# Altium PCB mainpcb.PcbDoc (part 2 of 2)
Units mm, origin at the board's own origin, x right, y up, seen from the top; angles counter-clockwise.
Board outline 161.19 x 161.19 mm, 2 copper layers (Top Layer, Bottom Layer); 134 components, 83 nets, 474 pads, 52 vias.
Unrouted connection lines stored in the file: 1.
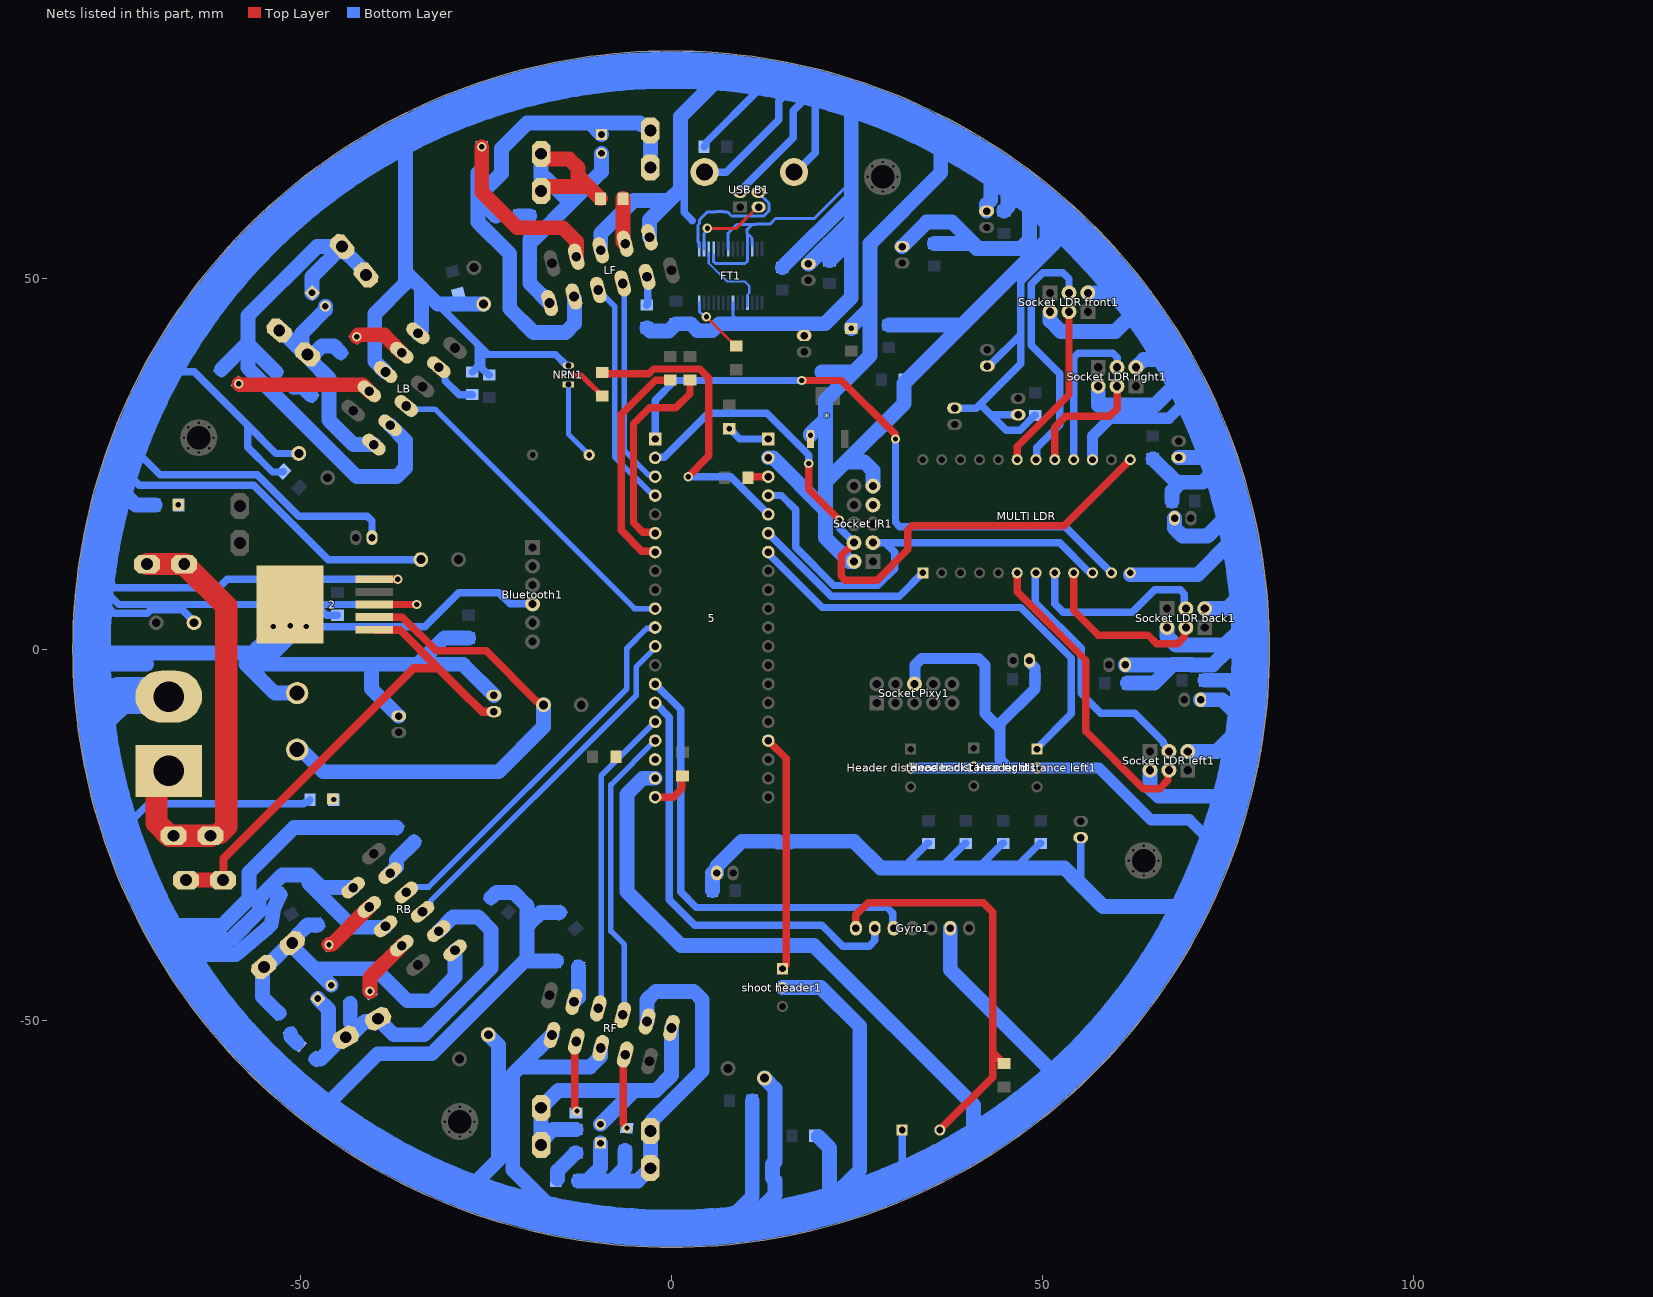
[diagram p2: the nets of this part, all layers, seen from the top]

## Via types
v1: diameter 1.27, hole 0.711, Top Layer to Bottom Layer, 52 vias

## Nets (pads, with @x,y where several pads share a name; then routed paths per layer and width w, separated by ;. In a path a pad name is that pad's centre, name@x,y a point inside that pad or via, vN(x,y) a via of type N, cw(c..) or ccw(c..) an arc to the next point about the centre after c; other vN are vias at no path point) (continued)
A15PWM4: 5.10 LB.5 | length 44.8
  Bottom Layer w0.75: LB.5@-35.682,32.77 -35.251,32.339 -31.831,32.339 -4.953,5.461 5.10@-2.159,5.461
B0DL: 5.34 "Header distance left1.1" | length 61
  Bottom Layer w1: 5.34@13.081,13.081 13.081,12.892 20.353,5.62 25.313,5.62 25.321,5.612 47.093,5.612 53.889,-1.184 53.889,-8.722 49.212,-13.399
B1LDR: 5.35 "MULTI LDR.1" | length 25.6
  Bottom Layer w1: 5.35@13.081,15.621 21.566,7.136 30.758,7.136 33.909,10.287
B2Buzzer: 3.1 5.36 | length 41.6
  Top Layer w1: -8.383,37.084 -3.043,37.084 -2.377,37.75 3.828,37.75 5.08,36.498 5.08,26.035 v1(2.286,23.241)
  Bottom Layer w1: v1(2.286,23.241) 8.001,23.241 5.36@13.081,18.161
B3PWM2: 5.11 RB.7 | length 51.5
  Bottom Layer w0.75: RB.7@-35.682,-32.77 -34.951,-32.039 -32.674,-32.039 -5.969,-5.334 -5.969,0.127 -3.309,2.787 -2.293,2.787 5.11@-2.159,2.921
B4PWM2: 5.12 RB.5 | length 48.7
  Bottom Layer w0.75: RB.5@-33.497,-35.375 -33.497,-35.269 -32.407,-34.18 -32.407,-33.916 -4.699,-6.207 -4.699,-2.349 -2.509,-0.159 -2.159,0.192 5.12@-2.159,0.381
B6GYRO: 5.14 Gyro1.5 | length 61.2
  Bottom Layer w1: 5.14@-2.159,-4.699 1.27,-8.128 1.27,-32.667 3.401,-34.798 29.083,-34.798 29.857,-35.572 29.857,-37.477 Gyro1.5@29.972,-37.592
B7GYRO: 5.15 Gyro1.6 | length 59.6
  Bottom Layer w1: 5.15@-2.159,-7.239 -0.254,-9.144 -0.254,-33.782 3.175,-37.211 20.32,-37.211 23.114,-40.005 26.67,-40.005 27.432,-39.243 Gyro1.6@27.432,-37.592
B8PWM1: 5.16 RF.7 | length 41.8
  Bottom Layer w0.75: RF.7@-9.817,-48.393 -9.431,-48.007 -9.431,-17.051 5.16@-2.159,-9.779
B9PWM1: 5.17 RF.5 | length 40.3
  Bottom Layer w0.75: RF.5@-6.533,-49.273 -6.3,-49.04 -6.3,-39.801 -8.128,-37.973 -8.128,-18.288 5.17@-2.159,-12.319
B10S0: 5.37 "MULTI LDR.10" "Socket IR1.3" | length 60.8
  Bottom Layer w1: 5.37@13.081,20.701 14.859,20.701 16.764,18.796 16.764,13.711 21.9,8.575 27.833,8.575 30.099,10.841 30.099,13.081 29.02,14.16 ; 27.178,14.351 29.02,14.351 52.324,14.351 56.292,10.383 56.538,10.383 56.581,10.339
B12S1: 5.1 "MULTI LDR.11" | length 85.4
  Top Layer w1: v1(17.596,36.195) 22.91,36.195 30.174,28.931 30.174,28.373 v1(30.226,28.321)
  Bottom Layer w1: 5.1@-2.159,28.321 -2.159,33.528 0.508,36.195 v1(17.596,36.195) ; v1(30.226,28.321) 30.226,17.096 30.812,16.51 53.086,16.51 59.309,10.287
B12S2: "Socket IR1.7"
B13S3: 5.2 "MULTI LDR.13" "Socket IR1.4" | length 92.5
  Top Layer w1: v1(18.542,25.019) 18.542,21.516 v1(22.659,17.399) ; 24.638,14.351 24.638,14.323 22.884,12.569 22.884,9.898 23.47,9.312 27.746,9.312 31.861,13.428 31.861,16.051 32.447,16.637 52.959,16.637 61.849,25.527
  Bottom Layer w1: 5.2@-2.159,25.781 -2.069,25.871 -0.926,25.871 4.996,31.793 12.911,31.793 18.542,26.162 v1(18.542,25.019) ; v1(22.659,17.399) 22.711,17.347 22.711,16.278 24.638,14.351 24.638,14.379
B14PWM3: 5.3 LF.7 | length 28.2
  Bottom Layer w0.75: LF.7@-6.532,49.272 -6.299,49.039 -6.299,26.746 -2.976,23.423 -2.341,23.423 5.3@-2.159,23.241
B15PWM3: 5.4 LF.5 | length 31
  Bottom Layer w0.75: LF.5@-9.817,48.392 -7.62,46.196 -7.62,25.908 -2.413,20.701 5.4@-2.159,20.701
Back1: "MULTI LDR.9" "Socket LDR back1.3" | length 23.8
  Top Layer w1: 54.229,10.504 54.229,5.207 57.531,1.905 64.232,1.905 65.405,0.732 68.233,0.732 69.151,1.649 69.151,2.73 69.342,2.921
Back2: "MULTI LDR.8" "Socket LDR back1.4" | length 25.5
  Bottom Layer w1: 51.689,10.103 51.689,6.096 52.832,4.953 62.103,4.953 65.151,8.001 68.565,8.001 69.151,7.415 69.151,5.652 69.342,5.461
C15Shoot: 5.24 "shoot header1.1" | length 32.1
  Top Layer w1: 5.24@13.081,-12.319 15.494,-14.732 15.494,-42.545 14.986,-43.053
  Bottom Layer w1: 5.24@13.081,-12.446 5.24@13.081,-12.319
F16: "USB B1.2" FT1.16 | length 11
  Top Layer w0.4: v1@4.892,56.705 8.763,56.705 11.621,59.563 11.779,59.563
  Bottom Layer w0.4: FT1.16@4.426,53.917 4.426,56.003 4.888,56.465 v1(4.888,56.7)
Front1: "MULTI LDR.18" "Socket LDR front1.3" | length 34.5
  Bottom Layer w1: 49.246,25.527 49.246,27.148 52.324,30.226 52.324,37.128 48.514,40.938 48.514,49.174 50.074,50.734 52.742,50.734 53.594,49.882 53.594,48.006
Front2: "MULTI LDR.19" "Socket LDR front1.4" | length 23
  Top Layer w1: 46.609,25.378 46.609,27.305 53.594,34.29 53.594,45.466
GND: 1.2 2.3 2.5 2.6 4.1 5.19 5.39 6.1 10.1 11.1 13.1 "Header distance back1.2" "Header distance left1.2" "Header distance right1.2" "MULTI LDR.12" "MULTI LDR.15" "shoot header1.2" "Socket IR1.2" "Socket IR1.9" "Socket LDR back1.2" "Socket LDR back1.5" "Socket LDR front1.2" "Socket LDR front1.5" "Socket LDR left1.2" "Socket LDR left1.5" "Socket LDR right1.2" "Socket LDR right1.5" "Socket Pixy1.6" "USB B1.4" "USB B1.5" "USB B1.6" *.1@18.768,28.321 *.2@-67.691,-6.383 Bluetooth1.4 Button1.1 cap2.2 cap4.2 cap5.2 cap9.2 cap10.2 cap11.2 cap13.2 cap15.2 cap17.1 cap18.2 cap19.2 cap23.2 cap24.2 cap25.2 cap26.2 cap27.2 cap28.2 cap29.2 cap32.2 cap34.2 cap35.2 cap36.2 cap37.2 cap38.2 cap39.2 cap40.2 cap43.2 cap44.2 cap45.2 cap46.2 cap47.2 cap48.2 cap49.1 cap50.2 cap51.2 cap52.2 cap53.2 cap54.2 cap55.2 cap56.2 cap57.2 cap58.2 cap59.2 cap60.2 cap61.2 cap62.2 cap63.2 cap66.2 cap69.2 cap70.2 cap73.2 cap74.2 FT1.7 FT1.18 FT1.21 FT1.25 FT1.26 Gyro1.2 LB.6 LB.10 LF.6 LF.10 NPN1.3 RB.6 RB.10 RES6.1 RES500.2 RF.6 RF.10 | length 2260.7
  Top Layer w1: 2.3@-40.005,6.018 v1(-34.29,6.018) ; 2.5@-40.005,9.418 v1(-36.83,9.418)
  Top Layer w2: 2.6@-54.855,1.768 2.6@-53.575,3.048 ; 2.6@-50.035,4.698 2.6@-51.355,6.018 2.6@-51.355,5.287 ; v1(-49.149,3.048) -49.276,3.175 v1(-51.308,3.175) -51.435,3.048 2.6@-53.575,3.048 ; 2.6@-53.575,3.048 -51.355,5.268 2.6@-51.355,5.287 ; 2.6@-53.575,3.048 v1(-53.594,3.048) 2.6@-51.355,5.287
  Bottom Layer w0.3: cap28.2@42.596,38.143 42.68,38.227 cap28.2@42.926,38.227 ; 51.943,54.937 53.611,56.605
  Bottom Layer w0.4: FT1.18@5.726,53.117 5.726,52.194 5.965,51.955 9.956,51.955 10.276,52.275 FT1.25@10.276,53.917 10.276,56.015 ; FT1.21@7.676,53.917 7.676,56.055 8.85,57.228 10.94,57.228 ; FT1.7@8.326,46.667 8.313,46.654 8.313,45.479 8.299,45.465 8.299,44.971 8.758,44.512 8.758,44.054 8.978,43.834 ; FT1.26@10.885,54.483 10.885,55.406 10.276,56.015 ; 24.257,62.992 19.275,58.01 14.068,58.01 13.335,57.277 11.398,57.277 11.35,57.228 10.94,57.228 ; 10.276,56.015 10.235,56.056 10.235,56.524 10.94,57.228
  Bottom Layer w1: -78.24,1.695 -77.266,1.695 -75.824,0.254 ; -78.109,4.95 -76.578,4.95 -76.073,4.445 ; -77.859,8.029 -76.454,8.029 -74.443,6.018 -47.879,6.018 ; -77.749,6.251 -76.482,6.251 -75.057,4.826 -70.585,4.826 -70.101,5.31 -65.864,5.31 -64.173,3.619 cap15.2@-64.086,3.619 ; -77.528,10.811 -74.972,8.255 -60.96,8.255 -59.797,9.418 v1(-36.83,9.418) ; -74.297,24.721 -71.673,22.098 -56.258,22.098 -46.225,12.065 cap2.2@-33.731,12.065 ; -74.062,-24.47 -70.42,-20.828 -49.5,-20.828 -49.283,-20.611 -48.914,-20.611 -48.664,-20.361 RES500.2@-48.664,-20.261 ; -73.507,-26.605 -73.507,-26.517 ; -73.197,27.82 -68.871,23.495 -55.753,23.495 -50.165,17.907 -40.925,17.907 -40.302,17.284 cap25.2@-40.302,15.037 ; -68.828,37.361 -64.256,37.361 -57.072,30.177 ; cap73.2@-52.259,23.938 -52.33,23.868 -53.713,23.868 -57.072,27.227 -57.072,30.177 ; cap51.2@-50.167,26.365 -53.26,26.365 -57.072,30.177 ; v1(-49.149,3.048) -33.198,3.048 -28.626,7.62 -23.241,7.62 -21.717,6.096 Bluetooth1.4@-18.669,6.096 ; cap27.2@-44.958,4.572 -46.433,4.572 -47.879,6.018 ; v1(-34.29,6.018) -47.879,6.018 ; -31.449,46.491 -25.995,41.036 ; 11.1@-26.797,37.339 -26.697,37.339 -26.447,37.589 -26.447,37.722 -25.995,38.175 -25.995,41.036 ; -24.892,39.698 -15.589,39.698 -14.118,38.227 NPN1.3@-13.843,38.227 ; -24.892,39.933 -25.527,40.568 ; cap49.1@-24.511,36.958 -24.611,36.958 -25.527,37.874 -25.527,40.568 ; 1.27,62.008 1.778,62.23 ; 1.778,62.008 1.778,58.83 2.86,57.747 ; cap4.2@4.444,67.691 4.694,67.941 4.694,68.264 11.915,75.486 11.915,76.314 8.872,79.357 ; 4.758,64.268 7.445,64.268 14.478,71.302 14.478,73.822 16.821,76.165 ; 9.449,61.491 9.449,61.9 16.454,68.905 16.454,72.563 19.432,75.541 19.432,66.902 16.454,63.924 ; 30.278,-71.585 31.115,-70.747 Button1.1@31.115,-64.77 ; 31.27,-29.464 34.571,-26.163 cap11.2@34.671,-26.163 ; 36.308,-29.464 39.609,-26.163 cap19.2@39.709,-26.163 ; cap18.2@38.176,32.469 41.11,32.469 41.636,32.995 ; 41.345,-29.464 44.646,-26.163 cap29.2@44.746,-26.163 ; cap28.2@42.926,38.227 47.088,42.389 ; 46.383,-29.464 49.684,-26.163 cap36.2@49.784,-26.163 ; cap43.2@46.736,31.582 43.049,31.582 ; cap44.2@49.073,31.495 48.973,31.495 46.99,29.512 45.119,29.512 43.049,31.582 ; 51.943,54.937 51.943,54.377 47.088,49.522 47.088,42.389 ; 54.813,-31.305 55.169,-30.95 cap35.2@55.169,-25.393 ; -25.995,41.036 -25.527,40.568 ; 41.636,32.995 47.088,38.447 47.088,42.389 ; 41.636,32.995 43.049,31.582
  Bottom Layer w1.5: 32.258,-16.002 45.466,-16.002 ; 32.862,-4.521 32.862,-2.149 33.74,-1.27 41.412,-1.27 42.291,-2.149 42.291,-8.636 44.323,-10.668 ; cap59.2@48.26,-1.524 48.26,-1.774 49.024,-2.538 cap60.2@49.024,-4.064 49.024,-5.332 44.323,-10.033 44.323,-10.668 ; 56.769,25.527 56.769,28.702 59.182,31.115 67.067,31.115 70.119,34.167 ; 72.747,-25.888 69.846,-22.987 64.62,-22.987 57.635,-16.002 49.276,-16.002 45.466,-16.002 ; 44.323,-10.668 44.323,-14.859 45.466,-16.002
  Bottom Layer w2: -78.25,0.992 -76.75,-0.508 -54.991,-0.508 -54.229,-0.508 ; -76.454,-0.762 -75.325,-1.891 ; -75.44,20.952 -73.92,19.431 ; -75.184,-2.032 -70.652,-2.032 ; -74.902,21.766 -74.471,21.766 -72.136,19.431 RES6.1@-69.545,19.431 ; -69.057,-36.265 -68.69,-35.898 ; -68.409,-37.473 -68.147,-37.211 ; -66.47,-39.116 -59.309,-39.116 -55.499,-35.306 -55.499,-33.528 -52.372,-30.401 -48.81,-30.401 ; -66.4,-41.148 -58.658,-41.148 -54.413,-37.586 -53.896,-37.069 -53.546,-34.934 cap54.2@-52.706,-33.037 ; -65.936,-37.211 -60.452,-37.211 -56.896,-33.655 -56.896,-30.099 -50.836,-24.039 13.1@-36.982,-24.039 ; -57.277,-2.032 -53.391,-5.918 4.1@-50.394,-5.918 ; -54.991,-2.032 -28.067,-2.032 ; v1(-53.594,3.048) -51.435,3.048 v1@-51.308,3.048 ; v1@-50.927,3.048 v1(-49.149,3.048) ; -45.847,-60.833 -39.519,-54.505 -32.28,-54.505 -19.798,-42.023 -19.445,-42.023 ; RB.10@-42.852,-32.129 -47.082,-32.129 -48.81,-30.401 ; -40.386,-2.232 -40.386,-5.334 cap70.2@-36.703,-9.017 ; RB.6@-38.481,-37.338 -38.609,-37.466 -42.884,-37.466 -48.81,-31.539 -48.81,-30.401 ; LB.6@-38.481,37.338 -39.943,38.8 -39.943,45.147 -35.814,49.276 -35.814,50.855 ; -35.814,67.671 -35.814,50.855 ; LB.10@-34.11,42.547 -33.655,43.002 -33.655,48.696 ; -33.909,-1.832 -30.554,1.523 cap69.2@-27.305,1.523 ; -27.926,-2.173 1.2@-23.876,-6.223 ; -27.42,-72.925 -23.241,-68.745 -23.241,-53.34 cap37.2@-24.638,-51.943 ; cap66.2@-25.264,46.491 -31.449,46.491 -33.655,48.696 ; cap46.2@-24.257,-33.473 -23.55,-32.766 -21.238,-32.766 -19.587,-34.417 ; -19.445,-34.558 -19.445,-42.023 ; -19.245,-37.011 -19.104,-37.011 -17.591,-35.498 cap32.2@-15.048,-35.498 ; RF.10@-16.058,-51.979 -20.347,-56.269 ; 6.1@-15.443,-42.023 -19.445,-42.023 ; -14.366,-76.521 -14.919,-76.521 -21.336,-70.104 -21.336,-57.257 -20.347,-56.269 ; RF.6@-9.49,-53.739 -9.49,-54.845 -10.913,-56.269 -20.347,-56.269 ; LF.6@-9.489,53.739 -9.489,56.011 -5.048,60.452 -0.286,60.452 ; 10.1@-3.276,43.306 -2.816,42.846 -0.337,42.846 cap63.2@0.651,43.834 2.626,43.834 3.559,42.9 5.533,42.9 6.467,43.834 8.978,43.834 20.72,43.834 24.257,47.371 24.257,55.245 ; LF.10@-2.921,55.499 -2.921,57.817 -0.286,60.452 ; 5.19@-2.159,-17.399 -3.81,-17.399 -5.969,-19.558 -5.969,-32.639 1.333,-39.941 19.241,-39.941 40.745,-61.446 40.745,-66.512 ; 1.27,62.008 -0.286,60.452 ; 1.27,62.54 1.27,71.755 7.184,77.669 ; 4.414,63.924 4.758,64.268 ; cap50.2@5.587,-32.512 cap47.2@5.587,-30.15 ; cap47.2@6.139,-30.15 6.139,-29.266 9.521,-25.884 14.323,-25.884 14.458,-26.019 16.022,-26.019 16.157,-25.884 24.616,-25.884 28.196,-29.464 31.27,-29.464 36.308,-29.464 41.345,-29.464 46.383,-29.464 52.972,-29.464 54.813,-31.305 58.179,-34.671 69.084,-34.671 ; 7.232,-77.448 10.923,-73.758 cap39.2@10.923,-60.833 ; 12.245,-76.8 12.245,-75.258 13.97,-73.533 13.97,-71.577 13.653,-71.26 13.653,-69.392 13.97,-69.075 13.97,-59.2 cap34.2@12.564,-57.794 ; 5.39@13.081,25.781 13.732,25.781 20.717,18.796 20.77,18.796 ; 14.986,-45.593 20.193,-45.593 25.4,-50.8 25.4,-70.197 21.336,-74.261 ; cap5.2@14.986,51.436 24.257,60.707 ; cap56.2@18.491,51.9 24.257,57.666 ; v1(18.768,28.829) 18.768,28.992 20.77,30.994 ; cap13.2@19.813,-65.659 21.336,-67.182 21.336,-74.261 ; 20.287,37.363 20.326,37.323 24.558,37.323 ; 20.638,-74.958 21.336,-74.261 ; 20.944,-75.136 21.336,-74.743 21.336,-74.261 ; cap57.2@21.336,52.324 24.257,55.245 ; v1(24.257,43.218) 24.257,43.434 26.797,45.974 ; 24.257,73.152 24.257,62.992 24.257,60.707 ; 24.638,11.811 23.974,11.811 20.77,15.014 20.77,18.796 ; 27.178,21.971 27.178,24.067 26.006,25.239 23.53,25.239 ; cap26.2@29.337,43.69 39.245,43.69 ; cap52.2@31.115,54.229 34.417,57.531 37.846,57.531 41.143,54.234 41.143,54.002 ; cap55.2@35.433,54.654 40.491,54.654 41.143,54.002 ; 36.322,66.929 36.322,64.188 26.797,54.663 26.797,45.974 ; Gyro1.2@37.592,-37.592 37.592,-43.194 50.575,-56.177 ; cap48.2@42.494,59.012 42.494,59.943 43.053,60.502 43.053,63.435 ; 44.782,63.435 45.387,63.435 45.387,59.612 cap45.2@44.831,59.056 ; 48.26,59.155 48.26,55.174 47.088,54.002 41.143,54.002 ; 50.615,59.321 50.615,55.06 39.245,43.69 ; 51.054,45.466 51.054,44.225 52.48,42.799 59.844,42.799 63.014,45.969 ; 56.134,48.006 60.955,48.006 61.247,48.299 ; 57.531,34.671 57.531,32.893 65.206,32.893 68.891,36.578 ; cap53.2@61.171,-2.108 67.542,-2.108 ; cap58.2@61.469,-4.572 65.079,-4.572 67.542,-2.108 ; 61.849,10.033 70.918,10.033 75.363,14.478 ; 62.611,37.973 63.642,39.004 67.547,39.004 ; 64.516,-16.305 64.516,-18.64 65.688,-19.812 73.035,-19.812 74.921,-21.698 ; cap24.2@64.897,25.653 68.071,22.479 68.658,22.479 ; 66.802,2.921 66.802,1.733 67.974,0.562 74.603,0.562 76.747,2.706 77.953,2.706 ; cap61.2@67.487,19.963 67.487,21.307 68.658,22.479 ; cap62.2@67.818,17.653 67.818,16.315 68.893,15.24 72.263,15.24 75.363,18.34 75.813,18.34 ; cap23.2@68.377,25.824 72.942,25.824 73.945,24.821 71.604,22.479 68.658,22.479 ; 69.596,-13.765 73.543,-13.765 77.363,-9.945 74.226,-6.807 cap40.2@71.331,-6.807 ; 71.882,5.461 74.86,5.461 77.571,8.172 ; cap38.2@71.883,-4.191 75.092,-4.191 77.703,-6.802 ; 72.747,-27.282 72.747,-25.888 ; 75.946,-0.254 74.826,-0.254 72.972,-2.108 70.124,-2.108 70.102,-2.087 67.564,-2.087 67.542,-2.108 ; -35.814,50.855 -34.199,49.24 -33.655,48.696 ; 20.77,18.796 20.77,22.479 ; 20.77,22.479 23.53,25.239 ; 20.77,22.479 20.77,30.994 ; 20.77,30.994 20.77,33.535 24.558,37.323 ; 23.53,25.239 31.37,33.079 31.37,35.815 39.245,43.69 ; 24.257,55.245 24.257,57.666 ; 24.257,57.666 24.257,60.707 ; 24.558,37.323 26.797,39.562 26.797,45.974
  Bottom Layer w4: -54.991,-0.508 -51.435,3.048 v1(-51.308,3.175)
  Bottom Layer w5: -76.75,-8.62 -74.38,-6.25 -67.824,-6.25 *.2@-67.691,-6.383 ; 78,0 ccw(c0,0) 78,0
Left1: "MULTI LDR.6" "Socket LDR left1.3" | length 41.1
  Top Layer w1: 46.609,10.056 46.609,7.747 55.88,-1.524 55.88,-11.049 63.618,-18.787 65.795,-18.787 66.899,-17.683 66.899,-16.462 67.056,-16.305
Left2: "MULTI LDR.7" "Socket LDR left1.4" | length 34
  Bottom Layer w1: 49.022,10.097 49.053,10.066 49.053,9.838 49.022,9.806 49.022,6.35 55.245,0.127 55.245,-5.969 57.898,-8.622 62.439,-8.622 66.27,-12.453 66.27,-12.708 67.056,-13.494 67.056,-13.765
Net1_1: 1.1 2.1 P4.1 | length 68.2
  Top Layer w1.1: P4.1@-60.388,-31.112 -60.309,-31.033 -60.309,-28.178 -34.711,-2.58 -31.332,-2.58 ; 2.1@-40.005,2.618 -39.98,2.593 -36.505,2.593 -31.332,-2.58 ; 1.1@-23.876,-8.423 -25.489,-8.423 -28.575,-5.337 -31.332,-2.58
  Top Layer w2: P4.1@-65.388,-31.112 P4.1@-60.388,-31.112
Net2_2: 2.2 4.2 cap1.1 | length 67.6
  Top Layer w1: 2.2@-40.005,4.318 -36.227,4.318 -31.673,-0.236 -24.91,-0.236 -18.153,-6.993 -17.966,-6.993 -17.466,-7.493 cap1.1@-17.196,-7.493
  Bottom Layer w2: 4.2@-50.394,-13.538 -49.852,-13.538 -46.881,-16.51 -23.241,-16.51 -17.196,-10.465 cap1.1@-17.196,-7.493
Net3_2: 3.2 NPN1.2 | length 5.8
  Top Layer w0.7: NPN1.2@-13.843,36.957 -12.141,36.957 3.2@-9.271,34.087
Net5_6: 5.6 RES9.2 | length 28
  Top Layer w1: 5.6@-2.159,15.621 -2.293,15.755 -3.817,15.755 -5.08,17.018 -5.08,30.353 -2.921,32.512 0.635,32.512 2.54,34.417 RES9.2@2.54,36.246
Net5_7: 5.7 RES8.2 | length 29.9
  Top Layer w1: 5.7@-2.159,13.081 -2.293,13.215 -3.944,13.215 -6.731,16.002 -6.731,31.623 -2.108,36.246 RES8.2@-0.127,36.246
Net5_18: 5.18 RES7.2
Net5_20: 5.20 RES11.2 | length 5.8
  Top Layer w1: 5.20@-2.159,-19.939 0.254,-19.939 1.451,-18.742 1.451,-17.167 RES11.2@1.524,-17.094
Net5_38: 5.38 RES13.1 | length 2.8
  Top Layer w1: RES13.1@10.363,23.114 10.49,23.241 5.38@13.081,23.241
Net5_40: 5.40 RES12.1 | length 5.8
  Bottom Layer w1: v1(7.811,29.693) 7.884,29.693 9.256,28.321 5.40@13.081,28.321
Net6_2: 6.2 RF.9 | length 5
  Bottom Layer w2: RF.9@-13.101,-47.513 -12.497,-46.908 6.2@-12.497,-42.813
Net10_2: 10.2 LF.9 | length 3.9
  Bottom Layer w1: 10.2@-3.276,46.356 -3.146,46.487 -3.146,50.05 LF.9@-3.248,50.152
Net11_2: 11.2 LB.9 | length 6.6
  Bottom Layer w1: LB.9@-31.311,37.979 -30.469,37.137 -30.469,36.184 -28.546,34.261 -26.825,34.261 11.2@-26.797,34.289
Net13_2: 13.2 RB.9 | length 5.5
  Bottom Layer w2: RB.9@-37.868,-30.166 -37.025,-29.323 -37.025,-28.391 -34.646,-26.012 13.2@-34.646,-25.999
Net*_1: *.1@-67.691,-16.383 P1.1 P2.1 | length 59.6
  Top Layer w3: P2.1@-70.609,11.471 P2.1@-65.609,11.471 -59.944,5.806 -59.944,-23.876 P1.1@-60.792,-24.724 ; *.1@-67.691,-16.383 -69.342,-18.034 -69.342,-23.386 -67.585,-25.143 P1.1@-67.039,-25.143 P1.1@-62.039,-25.143
"NetBoot1 LB_1": "Boot1 LB.1" "LB socket.1" cap7.2 LB2.1 LB.3 | length 79.4
  Bottom Layer w2: -60.604,37.683 -57.023,41.264 ; -56.753,40.838 cap7.2@-53.238,37.323 ; -48.387,48.006 -48.387,50.165 LB2.1@-44.323,54.229 ; LB2.1@-44.572,53.98 -44.821,54.229 -47.72,54.229 -57.023,44.926 -57.023,41.264 ; LB2.1@-43.453,53.051 -41.109,50.707 LB2.1@-41.109,50.399 ; LB.3@-37.868,30.166 -35.814,28.112 -35.814,24.413 -36.986,23.241 -42.338,23.241 -57.023,37.926 -57.023,41.264
"NetBoot1 LB_2": "Boot1 LB.2" LB.4 | length 18
  Top Layer w2: v1(-58.268,35.77) -58.118,35.62 -41.553,35.62 LB.4@-40.666,34.733
"NetBoot1 LF_1": "Boot1 LF.1" "LF socket.1" cap6.2 LF2.1 LF.3 | length 75.2
  Bottom Layer w2: -25.527,64.643 -26.035,64.135 -26.035,60.929 ; cap6.2@-23.623,58.369 -26.035,60.781 ; LF.3@-13.045,47.232 -13.045,43.844 -14.216,42.672 -18.542,42.672 -21.757,45.887 -21.757,53.253 -26.035,57.531 -26.035,60.781 ; -9.398,69.342 -10.922,70.866 ; LF2.1@-2.797,64.878 -2.797,70.339 -3.047,70.589 -3.942,70.589 -4.219,70.866 -10.922,70.866 ; -26.035,60.781 -26.035,60.929 ; -26.035,60.929 -22.86,64.104 -22.86,67.437 -19.431,70.866 -10.922,70.866
"NetBoot1 LF_2": "Boot1 LF.2" LF.4 | length 23.7
  Top Layer w2: v1(-25.527,67.693) -25.527,61.595 -20.701,56.769 -14.605,56.769 -12.773,54.937 LF.4@-12.773,52.859
"NetBoot1 RB_1": "Boot1 RB.1" "RB socket.1" cap8.2 RB2.1 RB.3 | length 55.7
  Bottom Layer w2: cap8.2@-47.854,-55.209 -47.215,-55.209 -46.168,-54.162 ; -47.597,-47.071 -46.168,-48.501 -46.168,-54.162 ; -43.231,-47.752 -43.231,-50.326 -42.33,-51.227 ; RB.3@-31.311,-37.979 -29.4,-36.068 -26.035,-36.068 -24.257,-37.846 -24.257,-42.926 -33.274,-51.943 -37.357,-51.943 RB2.1@-39.512,-49.788 -39.889,-50.165 -41.269,-50.165 -42.33,-51.227 ; -46.168,-54.162 -44.293,-52.288 RB2.1@-43.842,-52.288 -43.391,-52.288 -42.33,-51.227
"NetBoot1 RB_2": "Boot1 RB.2" RB.4 | length 7.9
  Top Layer w2: v1(-40.589,-46.099) -40.589,-44.236 RB.4@-36.295,-39.942
"NetBoot1 RF_1": "Boot1 RF.1" "RF socket.1" cap3.2 RF2.1 RF.3 | length 56.6
  Bottom Layer w2: cap3.2@-12.504,-71.628 -11.297,-71.628 ; -9.525,-66.548 -9.525,-69.856 -11.297,-71.628 ; -6.229,-67.559 -6.229,-69.856 -8.001,-71.628 ; RF.3@-3.249,-50.153 -3.249,-47.273 -2.077,-46.101 3.019,-46.101 4.191,-47.273 4.191,-56.769 RF2.1@-2.547,-63.507 ; RF2.1@-2.797,-64.924 RF2.1@-2.797,-69.924 -2.797,-70.385 -3.047,-70.635 -3.508,-70.635 -4.501,-71.628 -8.001,-71.628 ; -11.297,-71.628 -8.001,-71.628
"NetBoot1 RF_2": "Boot1 RF.2" RF.4 | length 10.2
  Top Layer w1: RF.4@-6.206,-54.619 -6.439,-54.852 -6.439,-63.972 -5.963,-64.448 v1(-5.963,-64.521)
"NetBoot2 LB_1": "Boot2 LB.1" LB.8 | length 7.2
  Top Layer w2: v1(-42.356,42.099) -42.102,42.353 -38.706,42.353 LB.8@-36.296,39.943
"NetBoot2 LB_2": "Boot2 LB.2" "LB socket.2" LB1.1 LB.1 RES4.1 | length 33.6
  Bottom Layer w2: LB1.1@-52.808,42.916 -52.5,42.916 -49.286,39.702 LB1.1@-48.978,39.702 ; LB1.1@-49.726,40.684 -49.726,42.593 -46.591,45.728 -46.591,46.21 ; LB1.1@-48.851,39.215 -46.101,36.465 -46.101,30.861 -42.801,27.561 LB.1@-40.053,27.561 ; LB1.1@-48.346,39.556 -47.064,40.838 -45.407,40.838 -44.512,39.943
"NetBoot2 LF_1": "Boot2 LF.1" LF.8 | length 6.2
  Top Layer w2: -6.476,60.706 -6.476,54.89 LF.8@-6.205,54.619
"NetBoot2 LF_2": "Boot2 LF.2" "LF socket.2" LF1.1 LF.1 RES2.1 | length 53.7
  Top Layer w2: LF1.1@-17.529,61.739 -17.529,62.107 -17.279,62.357 -11.177,62.357 ; LF1.1@-17.529,66.739 -17.529,66.278 -17.279,66.028 -13.733,66.028 -12.561,64.857 -12.561,63.741 -11.177,62.357 ; -9.526,60.706 -11.177,62.357
  Bottom Layer w2: LF1.1@-17.529,61.739 -17.318,61.95 -17.318,62.916 -16.826,63.408 -13.56,60.141 ; LF1.1@-17.529,63.408 LF1.1@-17.529,66.739 ; LF.1@-16.385,46.632 -19.05,49.297 RES2.1@-19.05,55.169 -18.532,55.169 -13.56,60.141 ; -9.398,66.802 -9.398,64.303 -13.56,60.141
"NetBoot2 RB_1": "Boot2 RB.1" RB.8 | length 7.5
  Top Layer w2: v1(-46.1,-39.802) -46.045,-39.746 -45.679,-39.746 RB.8@-40.666,-34.733
"NetBoot2 RB_2": "Boot2 RB.2" "RB socket.2" RB1.1 RB.1 RES5.1 | length 50.5
  Bottom Layer w2: RES5.1@-52.859,-49.033 -55.071,-46.821 -55.071,-43.014 RB1.1@-54.875,-42.819 -54.567,-42.819 -51.353,-39.605 RB1.1@-51.045,-39.605 ; -47.626,-37.16 -49.001,-37.16 -50.303,-38.462 -50.303,-38.629 -51.045,-39.372 RB1.1@-51.045,-39.605 ; -45.801,-45.275 -48.023,-43.053 ; RB.1@-29.126,-40.584 -29.126,-44.153 -32.344,-47.371 -35.55,-47.371 -39.868,-43.053 -48.023,-43.053 ; RB1.1@-51.045,-39.605 -51.045,-40.031 -48.023,-43.053
"NetBoot2 RF_1": "Boot2 RF.1" RF.8 | length 9.6
  Top Layer w1: RF.8@-12.774,-52.859 -13.007,-53.092 -13.007,-61.85 -12.7,-62.157 v1(-12.7,-62.23)
"NetBoot2 RF_2": "Boot2 RF.2" "RF socket.2" RES1.1 RF1.1 RF.1 | length 42.8
  Bottom Layer w2: RF1.1@-17.529,-66.785 RF1.1@-17.529,-66.324 ; RES1.1@-12.827,-64.694 -15.899,-64.694 RF1.1@-17.529,-66.324 ; -9.525,-64.008 -5.005,-59.488 ; RF.1@0.035,-51.032 0.035,-57.369 -2.031,-59.435 -12.827,-59.435 -15.179,-59.435 -16.818,-61.074 -17.279,-61.074 -17.529,-61.324 RF1.1@-17.529,-61.785 RF1.1@-17.529,-66.324
NetButton1_2: Button1.2 Gyro1.7 RES10.1 | length 55.9
  Top Layer w1: Gyro1.7@24.892,-37.592 24.892,-35.798 26.527,-34.163 42.037,-34.163 43.307,-35.433 43.307,-54.28 ; Button1.2@36.195,-64.77 43.307,-57.658 43.307,-54.28 ; RES10.1@44.831,-55.804 44.731,-55.804 44.481,-55.554 44.481,-55.454 43.307,-54.28
NetBuzzer1_2: Buzzer1.2 NPN1.1 | length 10.7
  Bottom Layer w0.7: NPN1.1@-13.843,35.687 -13.843,28.956 Buzzer1.2@-11.049,26.162
Netcap3_1: cap3.1 RES1.2 | length 4.6
  Bottom Layer w2: cap3.1@-15.304,-71.374 -15.304,-70.271 -12.927,-67.894 RES1.2@-12.827,-67.894
Netcap6_1: cap6.1 RES2.2 | length 1.5
  Bottom Layer w2: cap6.1@-20.573,58.369 RES2.2@-19.05,58.369
Netcap7_1: cap7.1 RES4.2 | length 2.8
  Bottom Layer w2: cap7.1@-50.902,35.342 -49.661,35.342 RES4.2@-48.526,34.207
Netcap8_1: cap8.1 RES5.2 | length 1.6
  Bottom Layer w2: RES5.2@-51.259,-51.805 -51.259,-52.196 cap8.1@-50.42,-53.035
NetFT1_4: FT1.4 FT1.17 | length 11
  Bottom Layer w0.3: FT1.17@5.035,53.409 5.068,53.376 5.068,51.998 7.536,49.53 9.923,49.53 10.532,48.921 10.532,48.027 10.235,47.73 FT1.4@10.235,46.159
NetFT1_14: FT1.14 RES3.1 | length 8.5
  Top Layer w0.4: v1(4.751,44.789) 4.751,44.753 8.661,40.843 RES3.1@8.761,40.843 RES3.1@9.041,41.123
  Bottom Layer w0.4: FT1.14@3.776,46.667 3.789,46.654 3.789,45.479 4.055,45.213 4.092,45.213 4.516,44.789 v1(4.751,44.789)
NetFT1_15: "USB B1.3" FT1.15 | length 17.2
  Bottom Layer w0.4: FT1.15@3.718,54.209 3.718,54.717 3.603,54.832 3.603,57.141 3.814,57.352 3.814,57.849 4.848,58.883 6.047,58.883 6.103,58.938 7.005,58.938 7.06,58.883 7.618,58.883 8.141,58.359 12.478,58.359 13.183,59.064 13.183,60.062 11.779,61.466 11.779,61.563
NetLED1_2: LED1.2 RES6.2
  other v1: -66.42,19.456
NetLED5_2: LED5.2 RES500.1
  other v1: -45.464,-20.261
Right1: "MULTI LDR.16" "Socket LDR right1.3" | length 21.5
  Bottom Layer w1: 54.229,25.407 54.229,39.292 54.815,39.878 59.485,39.878 60.071,39.292 60.071,37.973
Right2: "MULTI LDR.17" "Socket LDR right1.4" | length 16.8
  Top Layer w1: 51.689,25.525 51.689,29.91 53.148,31.369 59.055,31.369 60.071,32.385 60.071,35.433
pads on no net: 5.13 5.21 5.22 5.23 5.25 5.26 "MULTI LDR.2" "MULTI LDR.3" "MULTI LDR.4" "MULTI LDR.5" "MULTI LDR.20" "MULTI LDR.21" "MULTI LDR.22" "MULTI LDR.23" "Socket IR1.5" "Socket IR1.8" "Socket Pixy1.5" "Socket Pixy1.7" "Socket Pixy1.8" "Socket Pixy1.9" "Socket Pixy1.10" Bluetooth1.1 Bluetooth1.6 FT1.2 FT1.3 FT1.6 FT1.8 FT1.9 FT1.10 FT1.11 FT1.12 FT1.13 FT1.19 FT1.22 FT1.23 FT1.24 FT1.27 FT1.28 Gyro1.3 Gyro1.4 Screw1.S Screw2.S Screw3.S Screw4.S

## Other copper
Top Layer:
  drawing of 22 lines, arcs and shapes, not listed

## Silkscreen, mask and mechanical layers (free items; w line width, h text height)
Top Solder:
  drawing of 20 lines, arcs and shapes, not listed
Mechanical 1:
  circle w0.013: c28.492,63.651 r1.7
  circle w0.013: c-28.492,-63.651 r1.7
  circle w0.013: c-63.651,28.492 r1.7
  circle w0.013: c63.651,-28.492 r1.7

## Text inside footprints (layer, text, board x,y; h text height)
5: Top Overlay "TYPE-C" at 2.159,24.419 h1.2; Top Overlay "USB" at 3.683,26.301 h1.5; Top Overlay "STM32F411CEU6" at 6.731,-0.889 h2.03 r90; Top Overlay "B12" at -7.747,27.313 h1; Top Overlay "B13" at -7.747,24.773 h1; Top Overlay "B14" at -7.747,22.233 h1; Top Overlay "B15" at -7.747,19.693 h1; Top Overlay "A8" at -7.239,17.153 h1; Top Overlay "A9" at -7.239,14.613 h1; Top Overlay "A10" at -7.747,12.073 h1; Top Overlay "A11" at -7.493,9.533 h1; Top Overlay "A12" at -7.747,6.993 h1; Top Overlay "A15" at -7.747,4.453 h1; Top Overlay "B3" at -7.239,1.913 h1; Top Overlay "B4" at -7.239,-0.627 h1; Top Overlay "B5" at -7.239,-3.167 h1; Top Overlay "B6" at -7.239,-5.707 h1; Top Overlay "B7" at -7.239,-8.247 h1; Top Overlay "B8" at -7.239,-10.787 h1; Top Overlay "B9" at -7.239,-13.327 h1; Top Overlay "5V" at -7.239,-15.867 h1; Top Overlay "GND" at -8.001,-18.407 h1; Top Overlay "3.3" at -7.493,-20.947 h1; Top Overlay "5V" at 16.637,27.313 h1; Top Overlay "GND" at 16.637,24.773 h1; Top Overlay "3.3" at 16.637,22.233 h1; Top Overlay "B10" at 16.637,19.693 h1; Top Overlay "B2" at 16.637,17.153 h1; Top Overlay "B1" at 16.637,14.613 h1; Top Overlay "B0" at 16.637,12.073 h1; Top Overlay "R" at 16.637,-9.787 h1 r180; Top Overlay "A7" at 16.637,9.533 h1; Top Overlay "A6" at 16.637,6.993 h1; Top Overlay "A5" at 16.637,4.453 h1; Top Overlay "A4" at 16.637,1.913 h1; Top Overlay "A3" at 16.637,-0.627 h1; Top Overlay "A2" at 16.637,-3.167 h1; Top Overlay "A1" at 17.104,-5.386 h1 r69; Top Overlay "A0" at 16.637,-8.247 h1; Top Overlay "C15" at 16.637,-13.327 h1; Top Overlay "C14" at 16.637,-15.867 h1; Top Overlay "C13" at 16.637,-18.407 h1; Top Overlay "BAT" at 16.637,-20.947 h1
NPN1: Mechanical 1 "C" at -15.367,35.941 h0.7 r270
"Socket IR1": Top Overlay "2" at 25.388,9.103 h1.5 r90; Top Overlay "9" at 27.928,23.679 h1.5 r90; Top Overlay "10" at 25.388,23.679 h1.5 r90; Top Overlay "1" at 27.928,9.603 h1.5 r90
"Socket LDR back1": Bottom Overlay "1" at 73.914,2.413 h1.27; Bottom Overlay "2" at 74.422,4.953 h1.27; Bottom Overlay "5" at 65.278,2.413 h1.27; Bottom Overlay "6" at 65.278,4.953 h1.27
"Socket LDR front1": Bottom Overlay "1" at 49.022,48.514 h1.27 r180; Bottom Overlay "2" at 48.514,45.974 h1.27 r180; Bottom Overlay "5" at 57.658,48.514 h1.27 r180; Bottom Overlay "6" at 57.658,45.974 h1.27 r180
"Socket LDR left1": Bottom Overlay "1" at 71.628,-16.813 h1.27; Bottom Overlay "2" at 72.136,-14.273 h1.27; Bottom Overlay "5" at 62.992,-16.813 h1.27; Bottom Overlay "6" at 62.992,-14.273 h1.27
"Socket LDR right1": Bottom Overlay "1" at 55.499,38.481 h1.27 r180; Bottom Overlay "2" at 54.991,35.941 h1.27 r180; Bottom Overlay "5" at 64.135,38.481 h1.27 r180; Bottom Overlay "6" at 64.135,35.941 h1.27 r180
"Socket Pixy1": Top Overlay "2" at 24.978,-5.449 h1.5; Top Overlay "9" at 39.554,-7.989 h1.5; Top Overlay "10" at 39.554,-5.449 h1.5; Top Overlay "1" at 25.478,-7.989 h1.5